# Altium PCB CC_V1.4.PcbDoc (part 7 of 8) (continued)
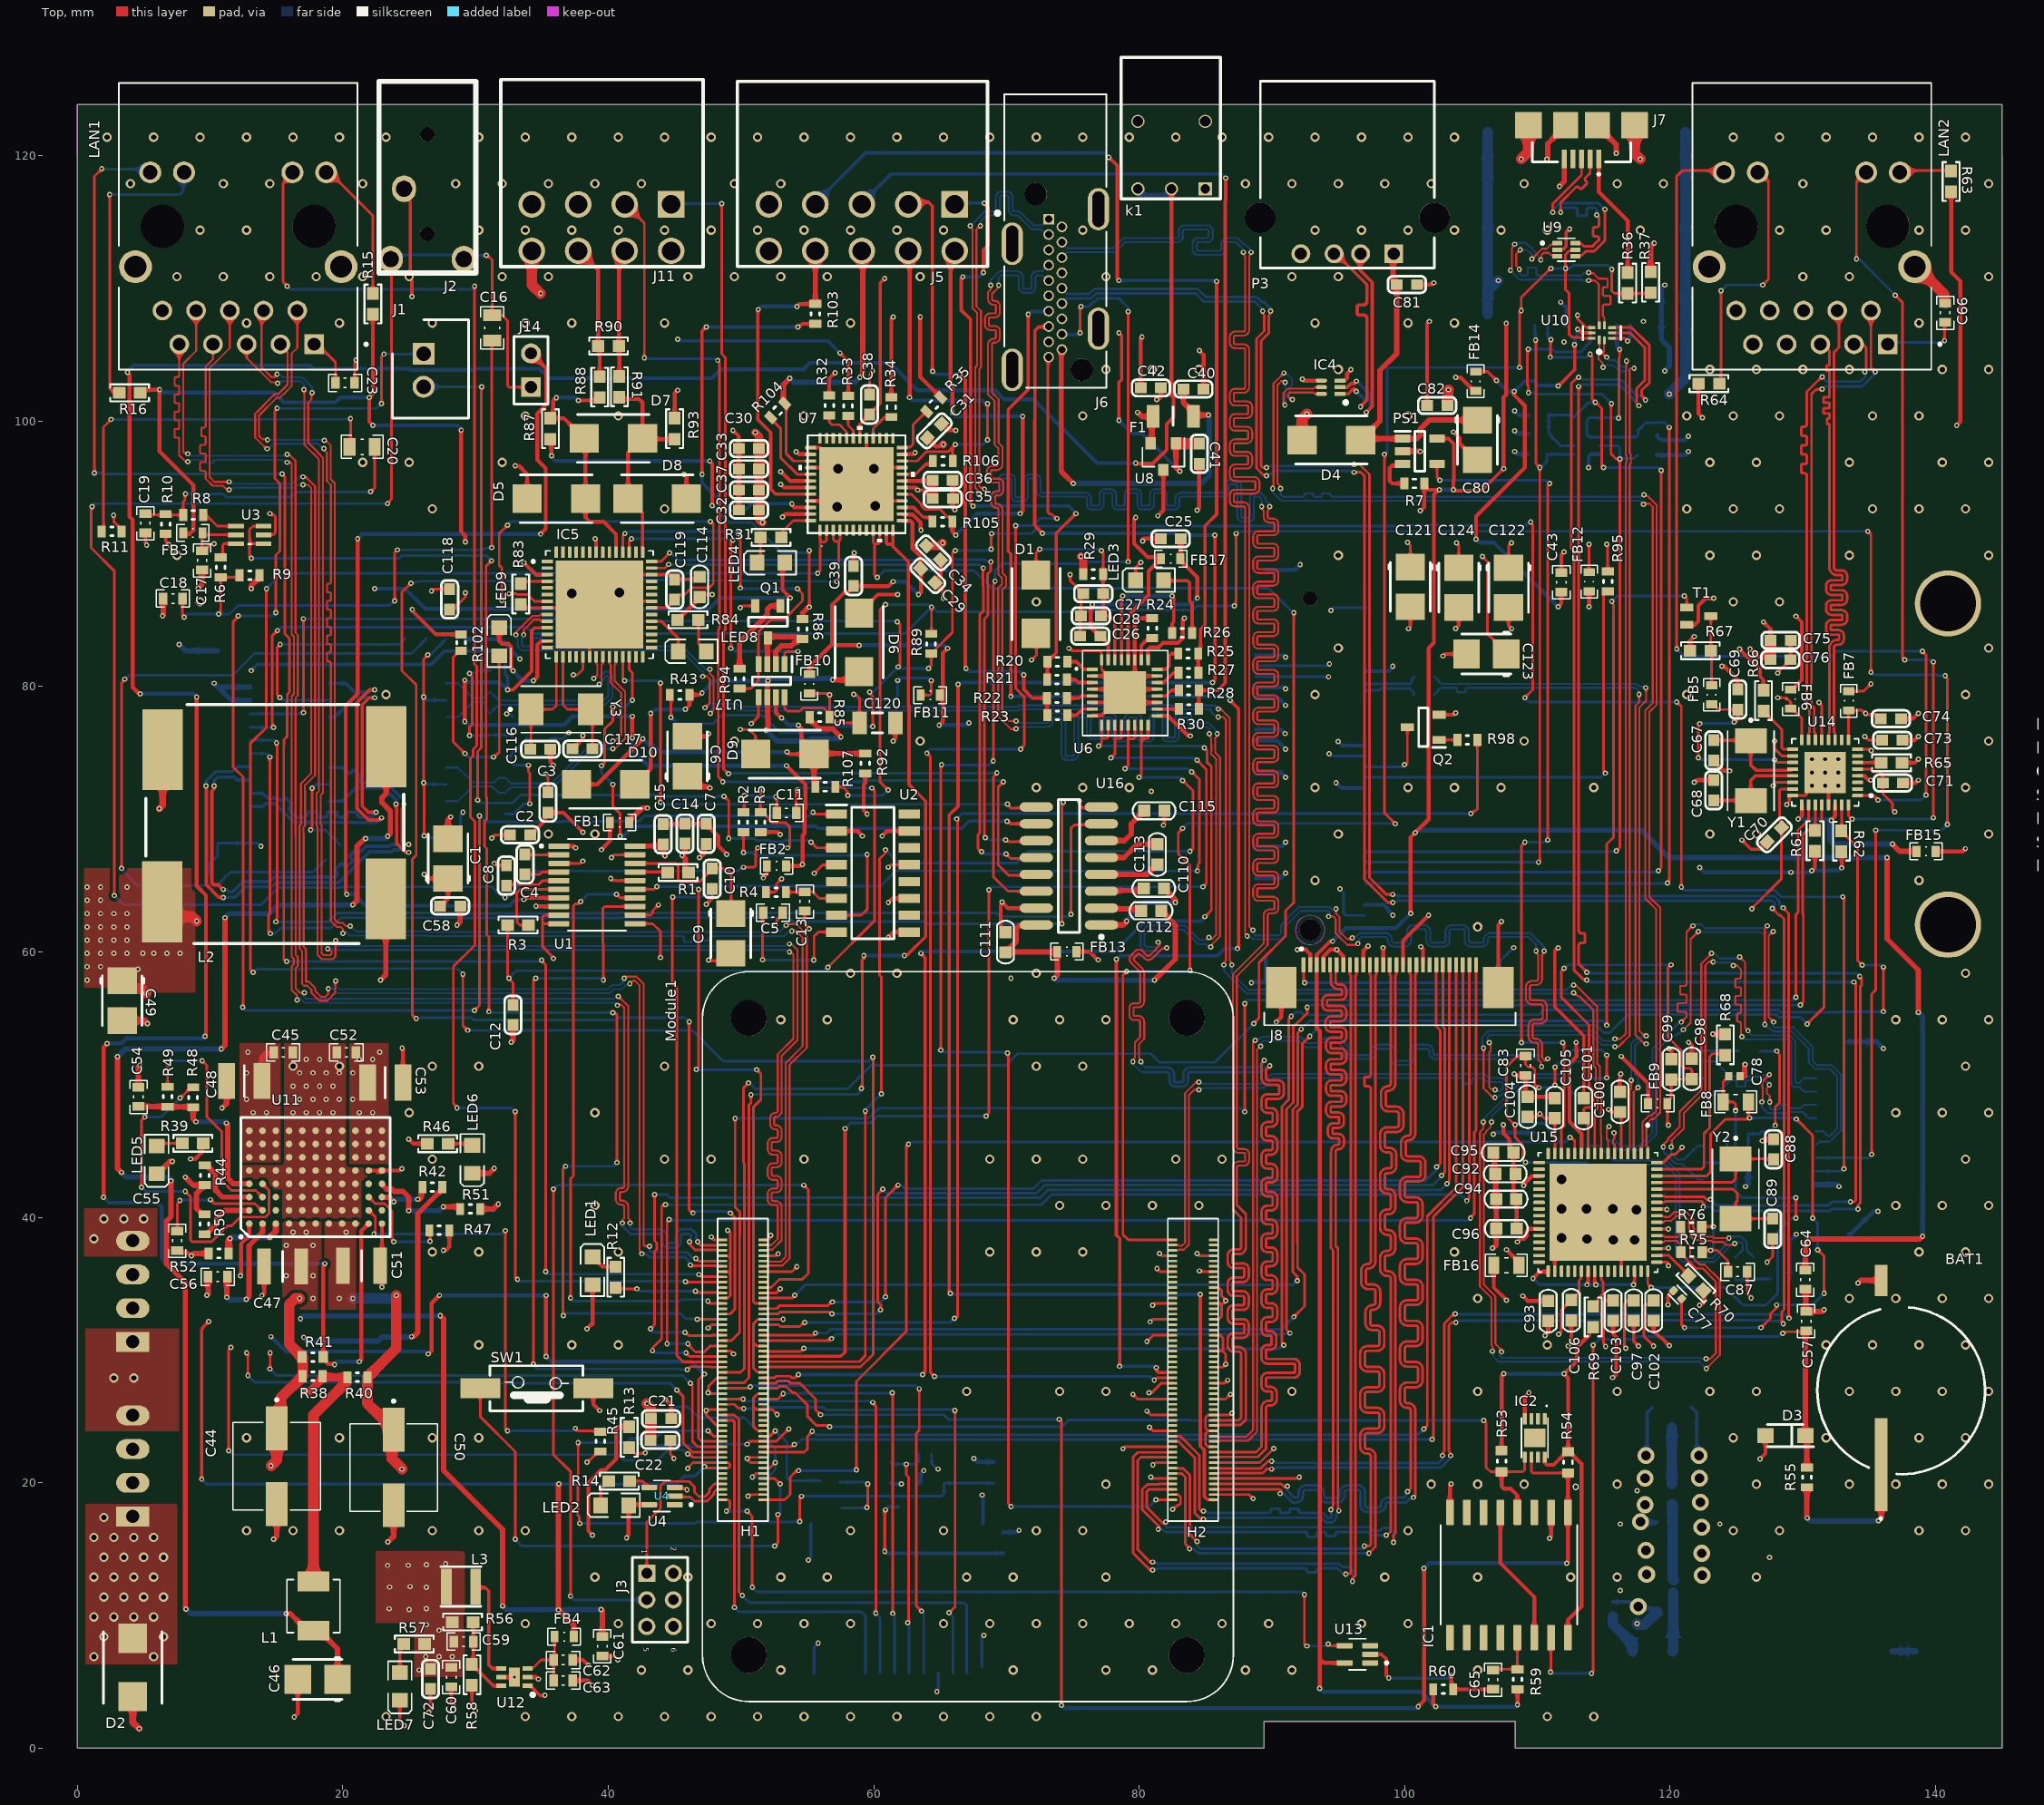
[diagram p0: Top view]
## Nets (pads, with @x,y where several pads share a name; then routed paths per layer and width w, separated by ;. In a path a pad name is that pad's centre, name@x,y a point inside that pad or via, vN(x,y) a via of type N, cw(c..) or ccw(c..) an arc to the next point about the centre after c; other vN are vias at no path point) (continued)
USB1_2_5VO: C80.1 C81.1 D4.1 P3.1 PS1.1 | length 25.4
  Top w0.4: P3.1@99.13,113.01 99.13,110.524 99.366,110.288 C81.1@99.404,110.288 99.404,105.087 98.123,103.805 98.123,99.998 96.7,98.575 D4.1@96.675,98.575 96.778,98.678 PS1.1@99.835,98.678 100.928,98.678 101.163,98.912 101.163,99.392 101.845,100.075 C80.1@105.475,100.075
USB1_2_Con_N: IC4.2 P3.2 | length 17.3
  Top w0.254: IC4.2@95.125,102.55 95.677,102.55 95.952,102.825 96.225,102.825 96.355,102.955 v1(96.355,103.005) ; P3.2@96.63,113.01 96.63,111.378 97.552,110.456 97.552,101.103 v1(97.099,100.651)
  Bottom w0.254: v1(96.355,103.005) 96.401,103.005 97.404,102.002 97.404,100.955 v1(97.099,100.651)
USB1_2_Con_P: IC4.1 P3.3 | length 17
  Top w0.254: P3.3@94.675,112.61 94.826,112.61 96.978,110.458 97.148,110.288 97.148,109.888 97.148,109.007 cw(c96.894,109.007) 96.894,108.753 96.542,108.753 ccw(c96.542,108.64) 96.429,108.64 96.429,108.112 ccw(c96.542,108.112) 96.542,107.999 96.894,107.999 cw(c96.894,107.745) 97.148,107.745 97.148,103.839 97.148,103.148 97.148,101.573 96.675,101.1 v1(96.675,101.075) ; IC4.1@95.125,102.05 95.748,102.05 96.119,102.421 96.225,102.421 96.355,102.291 v1(96.355,102.23)
  Bottom w0.254: v1(96.355,102.23) 97,101.585 97,101.4 v1(96.675,101.075)
USB1_2_N: IC4.5 U15.1 | length 94.2
  Top w0.15: v1(90.65,94.925) 90.65,95.073 90.412,95.311 90.412,95.547 90.414,95.549 90.414,96.836 90.412,96.838 90.412,102.712 90.7,103 90.909,103 v1(90.979,102.93) ; v1(90.976,101.201) 90.871,101.305 90.871,102.12 91.201,102.45 93.125,102.45 93.225,102.55 IC4.5@93.725,102.55 ; v1(118.017,94.438) 118.065,94.39 118.215,94.39 118.23,94.375 118.274,94.375 118.985,93.664 118.985,78.635 118.425,78.075 118.425,64.149 119.25,63.324 119.25,47.898 118.752,47.4 118.575,47.4 118.21,47.035 118.21,45.415 118.31,45.315 U15.1@118.31,44.81
  Bottom w0.15: v1(90.65,94.925) 90.65,94.475 90.827,94.298 91.033,94.298 92.312,94.298 ccw(c92.312,94.448) 92.462,94.448 cw(c92.56,94.448) 92.56,94.546 93.015,94.546 cw(c93.015,94.448) 93.112,94.448 93.112,94.396 ccw(c93.21,94.396) 93.21,94.298 93.665,94.298 ccw(c93.665,94.396) 93.762,94.396 93.762,94.453 cw(c93.86,94.453) 93.86,94.55 94.315,94.55 cw(c94.315,94.453) 94.412,94.453 94.412,94.448 ccw(c94.562,94.448) 94.562,94.298 95.287,94.298 117.81,94.298 117.949,94.438 v1(118.017,94.438) ; v1(90.976,101.201) 91,101.225 91,102.909 v1(90.979,102.93)
USB1_2_P: IC4.6 U15.2 | length 93.9
  Top w0.15: v1(90.05,94.925) 90.05,95.073 90.112,95.135 90.112,95.672 90.114,95.673 90.114,96.112 90.112,96.113 90.112,96.272 90.114,96.273 90.114,96.712 90.112,96.713 90.112,102.836 v1(90.9,103.625) ; v1@91.4,101.625 91.2,101.825 91.2,102.025 91.325,102.15 93.125,102.15 93.225,102.05 IC4.6@93.725,102.05 ; U15.2@117.81,44.81 117.81,45.315 117.91,45.415 117.91,47.159 118.451,47.7 118.628,47.7 118.95,48.022 118.95,63.2 118.125,64.025 118.125,78.199 118.685,78.759 118.685,93.54 118.45,93.775 118.027,93.775 v1(117.986,93.735)
  Bottom w0.15: v1(90.05,94.925) 90.05,94.651 90.703,93.998 117.723,93.998 v1(117.986,93.735) ; v1(90.9,103.625) 91.033,103.625 91.508,103.149 91.508,102.711 91.3,102.502 91.3,101.725 v1@91.4,101.625
  other v1: 91.529,101.63
USB1_3_N: R96.2 U15.3 | length 52.8
  Top w0.15: U15.3@117.31,44.81 117.255,44.865 117.255,45.253 117.255,49.461 117.571,49.777 v1(117.585,49.777) ; v1(117.656,79.406) 117.656,78.831 117.387,78.562 117.387,53.74 118.052,53.075 v1(118.2,53.075)
  Bottom w0.15: R96.2@102.2,79.375 102.725,79.9 103.072,79.9 103.798,79.9 cw(c103.798,79.75) 103.948,79.75 103.948,79.661 ccw(c104.045,79.661) 104.045,79.564 104.5,79.564 ccw(c104.5,79.661) 104.598,79.661 104.598,79.75 cw(c104.748,79.75) 104.748,79.9 110.559,79.9 117.375,79.9 117.656,79.619 v1(117.656,79.406) ; v1(117.585,49.777) 117.585,50.547 117.356,50.776 117.356,52.956 117.625,53.225 117.902,53.225 118.052,53.075 v1(118.2,53.075)
USB1_3_P: R97.2 U15.4 | length 52.8
  Top w0.15: U15.4@116.81,44.81 116.81,45.11 116.865,45.165 116.867,45.165 116.955,45.253 116.955,49.586 117.056,49.686 v1(117.056,50.327) ; v1(118.156,79.904) 118.185,79.874 118.185,78.936 117.687,78.438 117.687,54.025 118.037,53.675 v1(118.2,53.675)
  Bottom w0.15: R97.2@102.225,80.725 102.75,80.2 117.499,80.2 117.712,79.987 118.073,79.987 v1(118.156,79.904) ; v1(117.056,50.327) 117.056,53.08 117.501,53.525 117.902,53.525 118.052,53.675 v1(118.2,53.675)
USB1_4_N: J9.6 U15.6 | length 51.5
  Top w0.15: v1(115.756,46.375) 115.795,46.336 115.795,45.96 115.697,45.862 115.697,45.627 115.81,45.514 U15.6@115.81,44.81 ; v1(120.838,54.714) 121.235,55.111 121.235,55.268 121.235,55.343 ccw(c121.085,55.343) 121.085,55.493 120.65,55.493 cw(c120.65,55.59) 120.552,55.59 120.552,56.045 cw(c120.65,56.045) 120.65,56.143 121.138,56.143 ccw(c121.138,56.24) 121.235,56.24 121.235,56.695 ccw(c121.138,56.695) 121.138,56.793 120.843,56.793 cw(c120.843,56.89) 120.746,56.89 120.746,57.345 cw(c120.843,57.345) 120.843,57.443 121.085,57.443 ccw(c121.085,57.593) 121.235,57.593 121.235,60.697 121.235,61.499 v1(121.701,61.965) ; v1(127.125,54.525) 127.125,61.697 127.325,61.897 v1(127.325,61.965)
  Bottom w0.15: v1(115.756,46.375) 115.76,46.375 115.84,46.296 115.84,45.801 116.268,45.373 117.648,45.373 118.661,46.386 118.661,52.67 120.657,54.666 120.79,54.666 v1(120.838,54.714) ; v1(121.701,61.965) 121.768,61.965 121.873,62.069 122.344,62.069 122.621,61.792 127.113,61.792 127.285,61.965 v1(127.325,61.965) ; v1(127.125,54.525) 127.435,54.215 127.538,54.215 127.75,54.003 129.149,54.003 130.442,52.711 130.442,51.664 130.932,51.173 132.029,51.173 132.57,50.632 132.57,46.673 132.021,46.124 131.896,46.124 131.544,46.476 J9.6@130.994,46.476
USB1_4_P: J9.5 U15.7 | length 51.4
  Top w0.15: U15.7@115.31,44.81 115.31,45.811 115.227,45.894 115.227,46.621 115.382,46.777 v1(115.382,46.844) ; v1(120.998,54.136) 121.008,54.136 121.535,54.663 121.535,60.95 v1(122.125,61.54) ; v1(127.75,61.54) 127.425,61.216 127.425,55.079 127.787,54.717 v1(127.787,54.714)
  Bottom w0.15: v1(115.382,46.844) 115.382,46.777 115.227,46.621 115.227,45.99 116.144,45.073 117.772,45.073 118.961,46.262 118.961,52.546 120.124,53.709 120.448,53.709 120.583,53.844 120.689,53.844 120.981,54.136 v1(120.998,54.136) ; v1(122.125,61.54) 122.173,61.493 122.338,61.493 126.737,61.492 126.793,61.436 127.577,61.436 127.682,61.54 v1(127.75,61.54) ; v1(127.787,54.714) 127.75,54.676 127.75,54.428 127.874,54.303 129.274,54.303 130.742,52.835 130.742,51.788 131.057,51.473 132.153,51.473 132.87,50.756 132.87,46.548 132.022,45.701 131.219,45.701 J9.5@130.994,45.476
USB_4G_N: J12.36 R96.1 | length 4.1
  Bottom w0.2: J12.36@96.975,79.55 97.129,79.704 98.05,79.704 98.19,79.844 100.381,79.844 100.7,79.525 R96.1@100.7,79.375
USB_4G_P: J12.38 R97.1 | length 4.2
  Bottom w0.2: J12.38@96.975,80.35 97.129,80.196 97.994,80.196 97.995,80.194 100.408,80.194 100.525,80.312 100.525,80.525 R97.1@100.725,80.725
USB_CM_N: U10.4 U15.58 | length 112.2
  Top w0.21: v1@113.11,102.599 113.11,61.713 113.11,61.608 ccw(c113.32,61.608) 113.32,61.398 113.472,61.398 cw(c113.472,61.291) 113.579,61.291 113.579,60.794 cw(c113.472,60.794) 113.472,60.688 113.32,60.688 ccw(c113.32,60.478) 113.11,60.478 113.11,59.273 113.11,59.086 v1(113.725,58.471) ; v1(113.109,102.6) v1@113.161,102.6 ; U10.4@115.618,106.643 115.626,106.635 116.995,106.635 118.081,105.549 118.081,103.056 117.476,102.451 117.476,101.384 117.648,101.212 v1(117.648,101.16) ; U15.58@118.995,41.125 119.53,41.125 119.6,41.195 122.38,41.195 122.525,41.05 122.525,40.846 v1(122.481,40.802) ; v1(134.157,40.627) 134.157,40.935 134.335,41.113 134.335,57.419 134.409,57.493 134.409,58.015 v1(134.274,58.149)
  Bottom w0.21: v1(113.109,102.6) 113.161,102.6 113.32,102.759 116.147,102.759 117.239,101.667 117.239,101.569 v1(117.648,101.16) ; v1(113.725,58.471) 113.754,58.5 113.916,58.5 114.036,58.38 134.044,58.38 v1(134.274,58.149) ; v1(122.481,40.802) 122.49,40.793 123.081,40.793 123.386,40.488 132.026,40.488 132.156,40.618 134.148,40.618 v1(134.157,40.627)
USB_CM_P: U10.5 U15.59 | length 112.1
  Top w0.21: v1(113.104,103.3) 113.052,103.3 112.911,103.159 112.878,103.159 112.55,102.831 112.55,90.398 112.75,90.198 112.75,58.641 113.491,57.9 113.696,57.9 v1(113.725,57.871) ; U10.5@115.618,107.043 117.097,107.043 118.441,105.698 118.441,102.907 117.836,102.302 117.836,101.941 118.14,101.636 v1(118.14,101.585) ; U15.59@118.995,41.625 119.53,41.625 119.6,41.555 122.529,41.555 122.78,41.305 122.984,41.305 v1(123.031,41.352) ; v1(133.582,41.177) 133.889,41.177 133.975,41.263 133.975,57.6 v1(133.85,57.725)
  Bottom w0.21: v1(113.104,103.3) 113.155,103.3 113.336,103.119 116.296,103.119 117.494,101.921 117.752,101.921 118.089,101.585 v1(118.14,101.585) ; v1(113.725,57.871) 113.776,57.871 113.922,57.725 v1(133.85,57.725) ; v1(123.031,41.352) 123.475,40.908 131.937,40.908 132.206,41.177 v1(133.582,41.177)
USB_Ethernet_RST: Module1.100 U15.12 | length 86.4
  Top w0.2: Module1.100@51.671,18.71 53.295,18.71 53.703,19.118 53.703,20.415 54.203,20.915 v1(54.338,20.915) ; v1(58.688,20.97) 58.688,27.64 62.44,31.393 62.44,45.327 62.627,45.515 v1(62.61,45.515) ; v1(112.448,46.025) 112.547,46.025 112.81,45.763 U15.12@112.81,44.81
  Bottom w0.2: v1(54.338,20.915) 58.632,20.915 v1(58.688,20.97) ; v1(62.61,45.515) 62.77,45.675 110.721,45.675 112.098,45.675 v1(112.448,46.025)
USB_OTG: Module1.101 R36.1 R37.1 U9.5 U10.10 | length 127.7
  Top w0.2: v1(79.042,58.519) 79.042,58.518 78.772,58.248 78.772,38.695 79.157,38.31 Module1.101@82.511,38.31 ; v1(83.275,69.31) 82.938,68.973 82.938,67.375 83.825,66.488 v1(83.825,58.601) ; v1(98.478,97.5) 98.478,70.468 v1(99.296,69.65) ; v1(108.645,104.032) 108.645,108.188 v1(108.777,108.32) 108.777,109.302 110.972,111.496 v1(111.023,111.496) ; U9.5@112.865,112.911 112.79,112.836 112.395,112.836 112.12,112.561 112.12,109.888 112.395,109.613 112.395,106.53 112.619,106.307 113.16,106.307 113.224,106.243 U10.10@114.081,106.243 ; v1(115.606,111.427) 115.606,109.797 115.79,109.613 R36.1@116.8,109.613 ; R36.1@116.862,109.55 R36.1@116.8,109.613 ; R37.1@118.525,109.668 118.47,109.613 R36.1@116.8,109.613
  Bottom w0.2: v1(79.042,58.519) 81.378,58.519 81.42,58.478 83.702,58.478 v1(83.825,58.601) ; v1(83.275,69.31) 83.652,69.687 v1@99.296,69.687 ; v1(98.478,97.5) 98.687,97.709 98.687,103.915 98.805,104.032 v1(108.645,104.032) ; v1(111.023,111.496) v1(112.12,111.496) 112.453,111.496 112.703,111.746 115.286,111.746 v1(115.606,111.427)
USBC_N: IC5.9 U15.8 | length 121.7
  Top w0.15: v1(33.025,83.9) 33.025,84.074 34.276,85.325 34.795,85.325 34.895,85.425 IC5.9@35.4,85.425 ; v1(47.102,80.754) 47.44,80.754 47.635,80.56 47.635,78.76 v1(47.275,78.4) ; v1(85.95,78.3) 86.149,78.3 86.825,77.624 86.825,59.323 86.975,59.173 v1(86.975,59.025) ; v1(112.725,57.511) 112.773,57.463 112.921,57.463 114.505,55.879 114.505,51.572 114.696,51.381 114.696,49.934 114.823,49.807 114.823,48.033 114.781,47.99 114.781,46.216 114.81,46.187 U15.8@114.81,44.81
  Bottom w0.15: v1(33.025,83.9) 33.025,83.752 33.175,83.602 33.175,83.201 33.185,83.191 33.185,82.996 33.448,82.733 45.468,82.733 47.163,81.038 47.163,80.815 v1(47.102,80.754) ; v1(47.275,78.4) 47.38,78.505 47.592,78.505 47.781,78.694 49.683,78.694 49.906,78.471 70.801,78.471 70.905,78.575 85.675,78.575 v1(85.95,78.3) ; v1(86.975,59.025) 86.975,58.41 88.235,57.15 112.216,57.15 112.529,57.463 112.677,57.463 v1(112.725,57.511)
USBC_P: IC5.10 U15.9 | length 121.7
  Top w0.15: v1(33.625,83.9) 33.625,84.25 34.4,85.025 34.795,85.025 34.895,84.925 IC5.10@35.4,84.925 ; v1(47.652,81.304) 47.652,80.966 47.935,80.684 47.935,78.211 v1(47.699,77.976) ; v1(85.95,77.7) 86.325,77.7 86.525,77.5 86.525,59.323 86.375,59.173 v1(86.375,59.025) ; v1(112.725,56.911) 112.793,56.911 113.052,56.652 113.173,56.652 114.205,55.62 114.205,51.447 114.396,51.257 114.396,49.809 114.523,49.682 114.523,48.157 114.31,47.944 U15.9@114.31,44.81
  Bottom w0.15: v1(33.625,83.9) 33.577,83.852 33.577,83.704 33.485,83.611 33.485,83.12 33.572,83.033 33.88,83.033 34.177,83.033 ccw(c34.177,83.183) 34.327,83.183 34.327,83.564 cw(c34.424,83.564) 34.424,83.661 34.879,83.661 cw(c34.879,83.564) 34.977,83.564 34.977,83.183 ccw(c35.127,83.183) 35.127,83.033 35.852,83.033 45.592,83.033 47.375,81.25 47.598,81.25 v1(47.652,81.304) ; v1(47.699,77.976) 47.804,78.08 47.804,78.293 47.906,78.394 49.558,78.394 49.782,78.171 70.925,78.171 71.029,78.275 85.375,78.275 85.421,78.229 85.421,78.081 85.802,77.7 v1(85.95,77.7) ; v1(86.375,59.025) 86.375,58.586 88.111,56.85 112.34,56.85 112.353,56.863 112.677,56.863 v1(112.725,56.911)
USBSW_3.3V: C43.2 FB14.1 U10.9 | length 35.9
  Top w0.254: FB14.1@105.345,103.725 106.25,103.725 v1(106.925,103.05) ; v1(111.55,102.651) 111.59,102.651 112.8,103.861 v1(112.8,105.753) ; v1(113.017,106.921) 113.056,106.921 113.335,106.643 U10.9@114.081,106.643
  Top w0.3: v1(105.372,91.108) 105.372,92.822 109.05,96.5 109.05,101.16 108.241,101.969 108.241,102.217 v1(108.254,102.23) ; v1(111.55,86.007) 111.8,86.257 C43.2@111.8,87.125
  Bottom w0.254: v1(108.254,102.23) 109.029,103.005 109.733,103.005 110.064,102.674 111.527,102.674 v1(111.55,102.651) ; v1(112.8,105.753) 112.828,105.78 112.828,106.185 113.003,106.36 113.003,106.907 v1(113.017,106.921)
  Bottom w0.3: v1(105.372,91.108) 105.63,90.85 106.707,90.85 v1(111.55,86.007) ; v1(106.925,103.05) 106.944,103.031 107.745,102.23 v1(108.254,102.23)
VDD3_3V3: C25.2 C26.2 FB17.1 U6.31 | length 18
  Top w0.3: v1(76.461,86.175) 76.461,86.073 76.342,85.953 76.342,84.488 77.033,83.797 C26.2@77.071,83.797 77.109,83.797 77.662,83.244 U6.31@77.662,81.993 ; C25.2@83.134,91.136 83.116,91.117 83.116,89.646 FB17.1@83.097,89.627 83.097,89.502 84.379,88.22 v1(84.379,86.666)
  Bottom w0.3: v1(76.461,86.175) 83.885,86.175 84.376,86.666 v1(84.379,86.666)
VDD33IO: FB16.1 U15.19 U15.27 U15.33 U15.39 U15.40 U15.46 | length 17.6
  Top w0.254: v1(113.729,34.929) 113.729,34.968 113.81,35.049 U15.39@113.81,35.94 ; U15.40@114.31,35.94 114.31,35.009 v1(114.396,34.923) ; v1(117.225,34.923) 117.31,35.008 U15.46@117.31,35.94
  Top w0.3: v1(107.658,37.56) 107.658,37.556 108.607,36.606 FB16.1@108.607,36.381 ; v1(108.495,38.144) 108.744,38.393 109.003,38.393 109.179,38.569 109.179,38.949 109.355,39.125 U15.27@110.125,39.125 ; v1(108.965,42.393) 108.965,42.42 109.095,42.55 109.095,42.625 109.575,43.105 110.105,43.105 U15.19@110.125,43.125 ; v1(109.663,35.4) 110.163,35.9 110.79,35.9 110.81,35.92 U15.33@110.81,35.94
  Bottom w0.254: v1(109.663,35.4) 110.138,34.925 113.725,34.925 v1(113.729,34.929) ; v1@113.745,34.924 v1@117.224,34.924
VDDA33: C97.2 C98.2 C99.2 C100.2 C101.2 C102.2 C103.2 FB9.2 U15.5 U15.10 U15.49 U15.51 U15.54 U15.57 U15.64 | length 61.8
  Top w0.2: v1(112.017,58.775) 111.81,58.568 111.81,56.564 113.88,54.494 113.88,49.866 114.198,49.548 114.198,48.426 114.052,48.28 113.608,48.28 113.491,48.163 C101.2@113.491,47.463 113.81,47.144 U15.10@113.81,44.81 ; v1(115.13,30.271) 115.13,30.325 114.993,30.463 114.993,33.62 115.11,33.737 C103.2@115.7,33.737 ; v1(115.352,48.126) 115.352,48.072 115.469,47.955 115.469,47.938 C100.2@116.225,47.938 116.31,47.853 U15.5@116.31,44.81 ; v1(116.65,30.133) 116.543,30.24 116.543,33.488 116.767,33.712 117.225,33.712 C97.2@117.25,33.737 ; v1(118.75,30.31) 118.005,31.055 118.005,33.309 118.123,33.426 118.439,33.426 C102.2@118.75,33.737 ; U15.49@118.995,36.625 119.75,36.625 119.925,36.45 119.856,36.381 v1(119.856,36.352) ; U15.51@118.995,37.625 119.021,37.651 119.848,37.651 v1(119.873,37.677) ; U15.54@118.995,39.125 118.996,39.126 v1(119.873,39.127) v1(119.873,39.127) ; U15.57@118.995,40.625 119.71,40.625 v1(119.75,40.585) ; U15.64@118.995,44.125 119.025,44.155 119.507,44.155 120.094,44.742 120.38,44.742 120.882,45.244 v1(120.882,45.267) ; v1@119.907,46.985 v1(119.869,46.947) 119.869,47.001 119.785,47.085 FB9.2@119.785,48.575 119.785,48.7 120.075,48.99 C99.2@120.075,50.388 ; C99.2@120.01,50.323 C99.2@120.075,50.388 ; v1(120.062,59.025) 119.825,58.788 119.825,53.577 120.782,52.62 120.782,51.512 121.064,51.23 121.508,51.23 121.625,51.113 C98.2@121.625,50.413 120.1,50.413 C99.2@120.075,50.388
  Bottom w0.2: v1(112.017,58.775) 112.071,58.775 112.321,59.025 v1(120.062,59.025) ; v1(119.873,39.127) v1@119.912,39.089
X1: C67.1 U14.20 Y1.1 | length 8
  Top w0.254: C67.1@123.275,75.949 126.026,75.949 Y1.1@126.075,75.9 126.075,74.075 126.456,73.694 129.149,73.694 U14.20@129.23,73.775
X2: C68.1 U14.21 Y1.2 | length 7.6
  Top w0.254: C68.1@123.275,71.413 126.062,71.413 Y1.2@126.075,71.4 126.075,72.925 126.425,73.275 U14.21@129.23,73.275
XI: C88.1 U15.61 Y2.1 | length 10.4
  Top w0.2: U15.61@118.995,42.625 124.645,42.625 124.935,42.915 Y2.1@124.935,44.4 127.748,44.4 C88.1@127.785,44.363
XO: C89.1 U15.60 Y2.2 | length 11
  Top w0.2: U15.60@118.995,42.125 124.725,42.125 125.071,41.779 125.071,41.247 124.935,41.11 Y2.2@124.935,39.9 C89.1@127.797,39.9
pads on no net: ANT1. ANT1.1 ANT1.6 ANT1.7 ANT1.8 ANT1.9 IC1.3 IC1.6 IC1.7 IC1.9 IC1.10 IC1.11 IC1.12 IC2.1 IC2.2 IC2.3 IC2.7 IC2.9 IC5.1 IC5.2 IC5.5 IC5.6 IC5.12 IC5.14 IC5.17 IC5.18 IC5.27 IC5.28 IC5.29 IC5.30 IC5.31 IC5.32 IC5.34 IC5.37 IC5.38 IC5.39 IC5.44 IC5.48 IC5.49 IC5.51 IC5.52 IC5.53 IC5.54 IC5.55 IC5.56 J2.4 J2.5 J3.5 J6. J6.14 J7.4 J8.20 J11.4 J12. J12.1 J12.3 J12.5 J12.6 J12.7 J12.11 J12.13 J12.16 J12.17 J12.19 J12.23 J12.25 J12.28 J12.30 J12.31 J12.32 J12.33 J12.42 J12.44 J12.45 J12.46 J12.47 J12.48 J12.49 J12.50 J12.51 J12.G1 J12.G2 LAN1. LAN2. LAN2.6 LAN2.7 LAN2.8 LAN2.9 Module1.16 Module1.18 Module1.19 Module1.27 Module1.35 Module1.36 Module1.64 Module1.68 Module1.70 Module1.72 Module1.73 Module1.89 Module1.91 Module1.94 Module1.96 Module1.97 Module1.102 Module1.104 Module1.106 Module1.109 Module1.110 Module1.111 Module1.112 Module1.115 Module1.116 Module1.117 Module1.118 Module1.119 Module1.121 Module1.122 Module1.123 Module1.124 Module1.127 Module1.128 Module1.129 Module1.130 Module1.133 Module1.134 Module1.135 Module1.136 Module1.139 Module1.140 Module1.141 Module1.142 Module1.143 Module1.145 Module1.146 Module1.147 Module1.148 Module1.149 Module1.152 Module1.154 Module1.157 Module1.158 Module1.159 Module1.160 Module1.163 Module1.164 Module1.165 Module1.166 Module1.169 Module1.171 Module1.Un1 Module1.Un2 Module1.Un3 Module1.Un4 P3. SIM1.C6 T2.4 T2.5 T2.12 T2.13 T3.4 T3.5 T3.12 T3.13 U2.5 U2.10 U2.12 U2.14 U2.16 U4.1 U5.3 U7.5 U7.6 U7.7 U7.8 U7.25 U7.26 U7.27 U7.33 U7.34 U7.35 U7.36 U11.C2 U11.C3 U11.K4 U11.L2 U13.1 U13.3 U14.2 U14.3 U14.7 U14.10 U15.13 U15.16 U15.17 U15.18 U15.20 U15.21 U15.22 U15.23 U15.24 U15.25 U15.26 U15.28 U15.29 U15.30 U15.31 U15.32 U15.35 U15.36 U15.37 U15.42 U15.43 U15.45 U15.47 U18.6

## Polygon pours and split planes (outlines as drawn)
1V8 on Top "Top-1V8" (solid, pour order 74): 25.4,14.825 22.5,14.825 22.5,9.45 25.4,9.45
3V3 on Top "3V3_L01_P131" (solid, pour order 131): 20.496,53.125 20.503,44.015 23.45,44.015 23.45,53.125
5V on Top "Top-5V" (solid, pour order 56): 15.375,53.125 15.325,53.075 15.325,44.175 12.275,44.175 12.25,44.2 12.25,53.125 12.325,53.125
NetC44_1 on Top "NETC44_1_L01_P135" (solid, pour order 135): 15.44,39.928 18.41,39.928 18.41,33.058 15.454,33.058 15.454,39.914
NetC50_1 on Top "NETC50_1_L01_P134" (solid, pour order 134): 18.64,39.928 21.38,39.928 21.38,33.058 18.64,33.058
1V8 on Top "1V8_L01_P140" (solid, pour order 140): 25.4,14.825 29.08,14.825 29.172,14.917 29.172,5.36 25.4,5.36
24_VIN on Top "Top-24_VIN 1" (solid, pour order 104): 0.5,66.274 0.526,66.3 8.9,66.3 8.9,56.9 8.869,56.931 3.775,56.931 3.381,57.325 0.4,57.325 0.5,57.425
GND on Top "GND_L01_P133" (solid, remove dead copper, pour order 133): 15.325,44.175 15.35,44.2 15.35,53.1 20.471,53.1 20.496,53.125 20.503,44.015 24.029,44.015 24.029,42.769 21.38,42.769 21.38,39.928 15.44,39.928 15.439,42.1 14.643,42.1 14.404,42.339 14.404,42.9 12.45,42.9 12.275,43.075 12.275,44.175
24_VIN on Top "24_VIN_L01_P144" (solid, pour order 144): 0.5,40.675 6.025,40.675 6.025,37.062 0.5,37.062
24_VIN on Top "24_VIN_L01_P145" (solid, remove dead copper, pour order 145): 0.61,31.618 7.669,31.618 7.669,23.878 0.61,23.878
24_VIN on Top "24_VIN_L01_P146" (solid, pour order 146): 0.615,18.395 7.518,18.401 7.518,6.33 6.118,6.33 0.615,6.33
NetC44_1 on Bottom "NETC44_1_L04_P137" (solid, pour order 137): 15.44,39.928 18.41,39.928 18.41,33.087 18.381,33.058 15.454,33.058 15.454,39.914
NetC50_1 on Bottom "NETC50_1_L04_P138" (solid, pour order 138): 18.64,39.928 21.38,39.928 21.38,33.058 18.64,33.058
no net on Bottom "NONET_L04_P150" (solid, pour order 150): 0.51,123.34 0.542,123.372 144.455,123.372
GND on Bottom "GND_L04_P151" (solid, remove dead copper, pour order 151): 144.455,123.578 144.455,0.547 144.425,0.577 108.925,0.577 108.925,2.528 88.897,2.527 88.898,0.5 0.528,0.5 0.542,0.52 0.542,123.372
NetC44_1 on Power Plane (split plane): 19.045,14.924 7.152,14.924 7.152,24.25 7.152,25.773 19.045,25.773
24_VIN on Power Plane (split plane): 10.798,78.599 10.798,66.451 10.157,65.81 10.125,65.768 10.105,65.72 10.098,65.668 10.098,54.214 9.991,54.107 7.823,54.107 7.77,54.1 7.742,54.088 7.722,54.08 7.704,54.066 7.68,54.048 6.059,52.427 6.027,52.385 6.007,52.336 6,52.284 6,36.424 6.007,36.371 6.027,36.323 6.059,36.281 6.748,35.591 6.748,28.162 6.748,26.071 6.73,26.027 6.723,25.975 6.73,25.923 6.748,25.879 6.748,24.25 6.748,14.723 6.755,14.67 6.775,14.622 6.807,14.58 6.849,14.548 6.898,14.528 6.95,14.521 22.078,14.521 22.078,0.51 18.565,0.51 18.508,0.568 18.466,0.6 18.417,0.62 18.365,0.627 18.313,0.62 18.264,0.6 18.222,0.568 18.19,0.526 18.184,0.51 0.51,0.51 0.51,79.166 10.231,79.166
1V8_CM on Power Plane (split plane): 45.616,26.991 45.616,24.525 44.317,23.227 39.06,23.227 39.008,23.22 38.959,23.2 38.917,23.168 36.46,20.71 36.428,20.668 36.408,20.62 36.401,20.568 36.401,3.48 36.404,3.452 33.846,3.452 33.845,3.452 33.793,3.459 33.74,3.452 33.739,3.452 33.714,3.452 33.714,21.384 39.354,27.023 45.584,27.023
3V3 on Power Plane (split plane): 380 vertices, not listed, extent 18.184,0.51 144.49,109.711
1V8 on Power Plane (split plane): 141.373,66.751 140.736,66.114 135.365,66.114 135.313,66.107 135.264,66.087 135.222,66.055 127.051,57.884 91.8,57.884 91.748,57.877 91.713,57.863 91.699,57.857 91.657,57.825 91.018,57.186 90.986,57.144 90.966,57.095 90.959,57.043 90.959,2.523 89.415,2.523 89.315,2.513 89.22,2.484 89.131,2.437 89.054,2.373 88.991,2.296 88.943,2.208 88.914,2.112 88.905,2.013 88.905,0.51 22.482,0.51 22.482,7.721 22.497,7.742 22.517,7.79 22.524,7.842 22.524,14.521 29.763,14.521 29.763,4.401 29.77,4.349 29.79,4.301 29.822,4.259 30.974,3.107 31.016,3.075 31.064,3.055 31.116,3.048 87.99,3.048 88.042,3.055 88.091,3.075 88.133,3.107 88.488,3.462 88.52,3.504 88.54,3.553 88.547,3.605 88.547,4.835 88.547,57.897 89.746,59.096 96.747,59.096 96.8,59.103 96.848,59.123 96.89,59.155 99.162,61.426 100.233,61.426 100.285,61.433 100.334,61.453 100.376,61.485 102.548,63.657 104.369,65.478 123.175,65.478 123.227,65.485 123.276,65.505 123.318,65.537 125.25,67.47 125.282,67.512 125.302,67.56 125.309,67.613 125.309,80.848 125.724,81.262 126.67,82.209 127.085,82.623 128.298,82.623 128.298,82.492 126.395,80.589 126.363,80.547 126.343,80.498 126.336,80.446 126.336,78.483 126.343,78.431 126.363,78.382 126.395,78.34 128.058,76.677 128.081,76.659 128.1,76.645 128.12,76.637 128.148,76.625 128.2,76.618 129.945,76.618 129.997,76.625 130.046,76.645 130.088,76.677 130.468,77.057 130.5,77.099 130.52,77.148 130.527,77.2 130.527,82.623 141.373,82.623
3V3_OUT on Power Plane (split plane): 33.423,87.366 33.423,84.915 33.43,84.863 33.45,84.814 33.482,84.772 35.222,83.032 35.246,83.014 35.264,83 35.284,82.992 35.313,82.98 35.365,82.973 39.123,82.973 39.123,81.778 37.159,79.814 33.446,79.814 31.982,81.279 31.982,83.735 31.975,83.787 31.955,83.836 31.923,83.878 30.748,85.053 30.706,85.085 30.657,85.105 30.605,85.112 27.606,85.112 27.606,87.423 33.366,87.423
Audio_3V3 on Power Plane (split plane): 10.075,91.697 10.117,91.665 10.165,91.645 10.218,91.638 12.664,91.638 12.668,91.634 12.668,91.291 12.615,91.238 12.583,91.196 12.563,91.147 12.556,91.095 12.556,90.419 11.011,88.874 9.039,88.874 8.947,88.966 8.947,91.958 9.814,91.958
3V3_CM on Power Plane (split plane): 53.291,22.146 53.291,21.172 37.492,21.172 39.144,22.823 44.401,22.823 44.453,22.83 44.502,22.85 44.543,22.882 45.901,24.24 51.197,24.24
5V on Power Plane (split plane): 144.49,120 144.49,101.332 127.412,101.332 122.086,106.658 122.044,106.69 121.995,106.71 121.943,106.717 100.929,106.717 100.535,107.11 100.493,107.142 100.445,107.162 100.392,107.169 82.197,107.169 82.144,107.162 82.096,107.142 82.054,107.11 77.775,102.832 71.834,102.832 71.834,107.569 71.827,107.622 71.807,107.67 71.775,107.712 69.432,110.055 69.39,110.087 69.342,110.107 69.289,110.114 46.263,110.114 46.21,110.107 46.162,110.087 46.12,110.055 45.865,109.8 45.833,109.758 45.813,109.71 45.806,109.657 45.806,96.749 43.661,94.604 43.629,94.562 43.609,94.513 43.602,94.461 43.602,93.073 30.058,93.073 30.047,93.098 30.015,93.14 29.973,93.172 29.925,93.192 29.872,93.199 29.82,93.192 29.772,93.172 29.73,93.14 29.603,93.014 18.29,81.7 18.258,81.658 18.238,81.61 18.231,81.558 18.231,55.217 18.231,54.978 18.231,39.481 17.84,39.09 17.808,39.048 17.788,39 17.781,38.947 17.781,29.127 11.739,29.127 9.317,31.549 9.317,34.692 9.31,34.745 9.29,34.793 9.276,34.812 9.258,34.835 8.29,35.803 8.248,35.835 8.2,35.855 8.147,35.862 7.049,35.862 6.403,36.507 6.403,52.2 7.906,53.703 10.075,53.703 10.127,53.71 10.176,53.73 10.218,53.762 10.443,53.987 10.475,54.029 10.495,54.078 10.502,54.13 10.502,65.584 11.143,66.225 11.175,66.267 11.195,66.315 11.202,66.367 11.202,78.682 11.195,78.735 11.183,78.763 11.175,78.783 11.143,78.825 10.458,79.51 10.416,79.542 10.367,79.562 10.315,79.569 0.51,79.569 0.51,120 0.51,123.342 144.49,123.342
24V on Power Plane (split plane): 66.748,105.614 66.748,101.215 66.755,101.163 66.775,101.114 66.807,101.072 67.308,100.572 67.35,100.54 67.398,100.519 67.451,100.513 76.565,100.513 78.056,99.021 78.056,88.817 78.056,88.609 76.469,87.022 54.82,87.022 54.768,87.015 54.719,86.995 54.677,86.963 33.65,65.935 33.618,65.893 33.598,65.845 33.591,65.792 33.591,49.075 33.591,48.888 33.591,26.177 19.246,26.177 7.152,26.177 7.152,28.162 7.152,35.274 7.202,35.28 7.251,35.3 7.293,35.332 7.325,35.374 7.345,35.423 7.35,35.458 8.064,35.458 8.913,34.609 8.913,31.465 8.92,31.413 8.94,31.364 8.972,31.322 11.512,28.782 11.554,28.75 11.568,28.744 11.603,28.73 11.655,28.723 28.583,28.723 28.635,28.73 28.683,28.75 28.725,28.782 28.757,28.824 28.777,28.873 28.784,28.925 28.784,44.145 28.777,44.197 28.757,44.246 28.725,44.288 25.879,47.134 25.879,48.454 26.289,48.864 26.321,48.906 26.341,48.954 26.348,49.006 26.348,50.52 26.348,62.455 50.443,86.55 50.461,86.573 50.475,86.592 50.495,86.64 50.502,86.693 50.502,90.2 50.502,106.418 65.944,106.418
VDD33IO on Power Plane (split plane): 110.579,44.715 110.579,35.922 110.586,35.87 110.606,35.821 110.638,35.78 110.68,35.748 110.705,35.737 111.398,35.044 111.385,35.039 111.344,35.006 111.335,34.998 105.753,34.998 104.016,36.735 104.016,44.665 104.416,45.065 110.228,45.065
Audio_5V on Power Plane (split plane): 64.473,65.752 56.6,65.752 56.548,65.745 56.499,65.725 56.457,65.693 55.691,64.927 53.33,64.927 53.278,64.92 53.229,64.9 53.187,64.868 52.446,64.127 50.984,64.127 50.951,64.159 50.951,67.146 64.473,67.146
1V8_core_LAN on Power Plane (split plane): 112.246,46.838 112.253,46.786 112.273,46.737 112.305,46.696 113.059,45.941 113.059,29.537 110.513,29.537 110.513,33.093 111.818,34.397 111.85,34.439 111.87,34.488 111.877,34.54 111.877,35.053 111.87,35.105 111.85,35.153 111.836,35.172 111.818,35.195 110.982,36.031 110.982,44.798 110.975,44.85 110.963,44.879 110.955,44.899 110.923,44.941 108.407,47.457 108.407,48.168 112.246,48.168
GSM_3V3 on Power Plane (split plane): 116.481,89.141 115.251,87.912 98.693,87.912 98.64,87.905 98.592,87.885 98.55,87.853 98.518,87.811 98.498,87.762 98.491,87.71 98.491,64.304 98.189,64.002 93.449,64.002 93.449,79.449 93.475,79.475 93.507,79.517 93.513,79.531 93.527,79.565 93.534,79.617 93.527,79.67 93.507,79.718 93.475,79.76 93.433,79.792 93.385,79.812 93.333,79.819 93.332,79.819 87.574,79.819 87.374,80.019 87.374,82.671 87.376,82.673 93.333,82.673 93.385,82.68 93.433,82.7 93.475,82.732 93.7,82.957 93.732,82.999 93.752,83.048 93.759,83.1 93.759,91.461 116.481,91.461
VDDA33 on Power Plane (split plane): 122.268,31.371 120.434,29.537 113.463,29.537 113.463,46.025 113.456,46.077 113.435,46.126 113.403,46.168 112.649,46.922 112.649,50.513 113.542,51.406 122.268,51.406